# KiCad board poly_kb.kicad_pcb (continued)
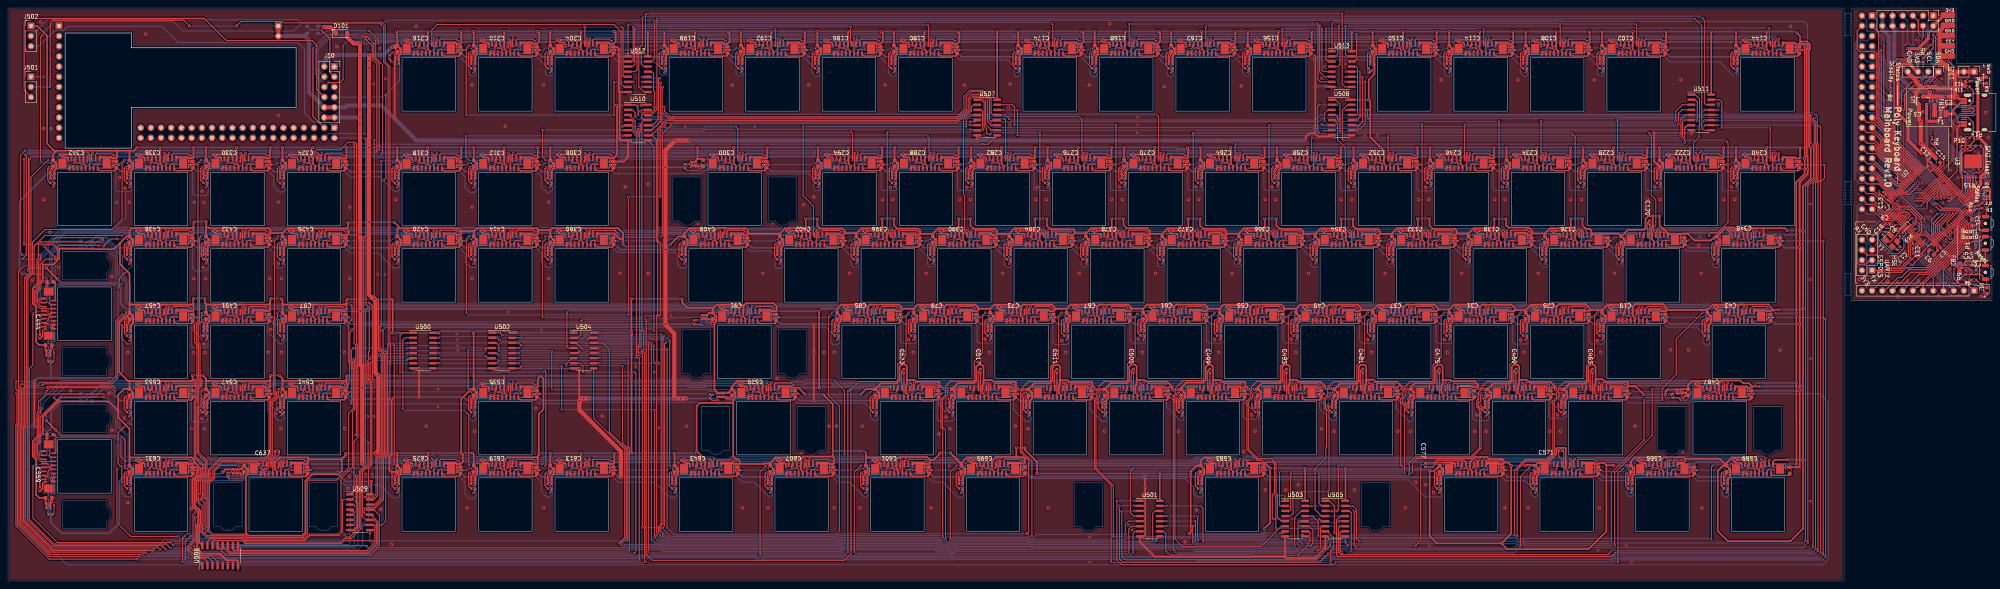
[diagram p0: board, top side]
## Routing (per net, layer and track width the routed paths; a pad name or vN(x,y) marks a point on that pad's centre or on a via; arc(x,y) is an arc through that point) (continued)
C83.2 225.87,64.32 226.34,64.8 226.34,66.05 C80.1 225.51,67.88 ; C76.2 244.92,62.32 C77.2 244.92,64.32 245.39,64.8 245.39,66.05 C74.1 244.56,67.88 ; C70.2 263.97,62.32 C71.2 263.97,64.32 264.44,64.8 264.44,66.05 C68.1 263.61,67.88 ; C64.2 283.02,62.32 C65.2 283.02,64.32 283.49,64.8 283.49,66.05 C62.1 282.66,67.88 ; C58.2 302.07,62.32 C59.2 302.07,64.32 302.54,64.8 302.54,66.05 C56.1 301.71,67.88 ; 225.51,67.88 226.53,68.9 232.56,68.9 233.11,68.35 ; 225.51,67.88 222.62,67.88 222.49,67.75 ; 244.56,67.88 245.58,68.9 251.61,68.9 252.16,68.35 ; 244.56,67.88 241.59,67.88 241.54,67.83 ; 263.61,67.88 264.63,68.9 270.66,68.9 271.21,68.35 ; 263.61,67.88 260.62,67.88 260.59,67.9 ; 282.66,67.88 283.68,68.9 289.71,68.9 290.26,68.35 ; 282.66,67.88 279.67,67.88 279.64,67.85 ; 301.71,67.88 302.73,68.9 308.76,68.9 309.31,68.35 ; 301.71,67.88 298.77,67.88 298.69,67.8 ; 214.06,68.35 J24.8 214.06,66 214.56,65.5 J24.9 ; 214.06,68.35 214.63,68.91 221.82,68.91 222.49,68.23 222.49,67.75 ; 233.11,68.35 J23.8 233.11,66.1 233.61,65.6 J23.9 ; 233.11,68.35 233.68,68.91 240.87,68.91 241.54,68.23 241.54,67.83 ; 252.16,68.35 J22.8 252.16,66.12 252.66,65.62 J22.9 ; 252.16,68.35 252.73,68.91 259.92,68.91 260.59,68.23 260.59,67.9 ; 271.21,68.35 J21.8 271.21,66.12 271.71,65.62 J21.9 ; 271.21,68.35 271.78,68.91 278.97,68.91 279.64,68.23 279.64,67.85 ; 290.26,68.35 J20.8 290.26,66.05 290.76,65.55 J20.9 ; 290.26,68.35 290.83,68.91 298.02,68.91 298.69,68.23 298.69,67.8 ; 309.31,68.35 J19.8 309.31,66.12 309.81,65.62 J19.9 ; 309.31,68.35 309.88,68.91 317.07,68.91 317.74,68.23 317.74,67.83 ; 242.93,50.14 242.93,49.05 242.64,48.76 ; 242.93,50.14 242.93,53.52 242.52,53.92 241.58,53.92 241.07,53.42 241.07,49.9 240.55,49.38 236.54,49.38 235.04,47.87 ; 242.93,50.14 244.98,50.14 245.46,49.66 250.86,49.66 250.98,49.54 250.98,48.56 ; 223.85,50.17 223.85,49.07 223.56,48.78 ; 223.85,50.17 225.68,50.17 226.16,49.69 231.78,49.69 231.9,49.57 231.9,48.58 ; 223.85,50.17 223.85,53.54 223.44,53.95 222.5,53.95 222.02,53.47 222.02,49.98 221.32,49.28 217.34,49.28 215.96,47.9 ; 395.33,50.11 395.33,49.02 395.04,48.73 ; 395.33,50.11 395.6,50.39 396.92,50.39 397.67,49.64 403.26,49.64 403.38,49.52 403.38,48.53 405.26,48.53 v1(407.29,46.51) ; 395.33,50.11 395.33,53.49 394.92,53.9 393.98,53.9 393.5,53.42 393.5,49.9 392.83,49.23 388.82,49.23 387.44,47.85 ; 376.3,50.11 376.3,49.02 376.01,48.73 ; 376.3,50.11 376.38,50.19 378.1,50.19 378.66,49.64 384.1,49.64 385.37,48.37 v1(385.37,47.8) 384.94,48.23 383.23,48.23 382.92,48.54 380.33,48.54 J30.16 ; 376.3,50.11 376.3,53.49 375.89,53.9 374.95,53.9 374.45,53.39 374.45,49.77 373.9,49.23 369.79,49.23 368.41,47.85 ; 357.25,50.17 357.25,49.07 356.96,48.78 ; 357.25,50.17 357.25,53.54 356.84,53.95 355.96,53.95 355.32,53.31 355.32,49.54 355.03,49.25 350.27,49.25 349.36,48.35 349.36,47.9 ; 357.25,50.17 359,50.17 359.34,49.83 365.15,49.83 366.02,48.95 v1(366.02,48.04) 365.71,48.35 364.58,48.35 364.25,48.68 361.42,48.68 J31.16 ; 338.2,50.14 338.2,49.05 337.91,48.76 ; 338.2,50.14 338.2,53.52 337.79,53.92 336.85,53.92 336.35,53.42 336.35,49.72 335.85,49.23 331.67,49.23 330.31,47.87 ; 338.2,50.14 338.27,50.21 339.98,50.21 340.53,49.66 345.89,49.66 347.11,48.45 v1(347.11,47.89) ; 319.15,50.14 319.15,49.05 318.86,48.76 ; 319.15,50.14 319.15,53.52 318.74,53.92 317.8,53.92 317.31,53.43 317.31,49.89 316.75,49.33 312.27,49.33 311.26,48.32 ; 319.15,50.14 319.2,50.19 320.88,50.19 321.41,49.66 326.83,49.66 327.91,48.58 v1(327.91,48.01) ; 281.05,50.17 281.05,49.07 280.76,48.78 ; 281.05,50.17 281.05,53.54 280.64,53.95 279.7,53.95 279.19,53.44 279.19,49.92 278.6,49.33 274.59,49.33 273.16,47.9 ; 281.05,50.17 282.96,50.17 283.4,49.72 288.63,49.72 289.97,48.38 ; 300.08,50.09 300.08,49 299.79,48.71 ; 300.08,50.09 300.08,53.47 299.67,53.87 298.73,53.87 298.25,53.39 298.25,50.16 297.59,49.5 293.42,49.5 292.19,48.27 C500.1 ; 300.08,50.09 300.12,50.13 301.91,50.13 302.36,49.68 306.87,49.68 306.87,49.69 307.93,49.69 308.13,49.49 308.13,48.51 ; 358.86,67.7 356.12,67.7 ; 358.86,67.7 360.06,68.9 365.87,68.9 366.46,68.31 ; 358.86,67.7 C32.1 359.67,66.07 359.67,64.65 359.22,64.2 C35.2 359.22,62.32 C34.2 ; 356.12,67.7 355.69,67.27 354.75,67.27 354.44,67.58 351.74,67.58 J16.16 ; 356.12,67.7 356.12,68.03 355.25,68.91 348.16,68.91 347.41,68.16 ; C592.2 428.27,24.22 C593.2 428.73,25.78 428.73,27.97 C590.1 ; J52.9 221.71,27.25 221.21,27.75 J52.8 221.21,30.73 ; 412.95,67.56 421.72,67.56 421.73,67.55 ; 412.95,67.56 412.95,68.17 412.09,69.04 405.18,69.04 404.56,68.42 404.56,68.35 ; 412.95,67.56 412.66,67.27 411.88,67.27 411.39,67.77 409.08,67.77 J13.16 ; J40.16 192.21,48.54 194.8,48.54 195.11,48.23 196.78,48.23 v1(198.42,46.58) ; 18.8,107.3 12.12,107.3 ; J502.1 7.26,138.44 9.73,135.97 v2(9.73,125.76) 9.73,109.04 11.47,107.3 12.12,107.3 ; v1(84.63,89.31) 84.63,88.3 84.29,87.96 ; 83.1,30.4 83.1,27.39 v1(82.34,26.63) 75.73,26.63 74.06,24.96 74.06,12.1 73.27,11.32 59.84,11.32 59.22,11.93 59.22,26.29 59.64,26.71 59.64,27.96 C638.1 57.85,27.8 54.12,27.8 v1(53.49,27.17) ; 83.1,30.4 84.09,31.39 v1(84.09,31.79) ; 83.1,30.4 83.03,30.33 74.78,30.33 74.76,30.31 ; 341.58,86.56 341.58,87.23 341.05,87.76 335.71,87.76 334.9,88.57 v1(334.9,90.27) ; 341.58,86.56 341.34,86.32 340.65,86.32 340.39,86.59 337.47,86.59 337.12,86.25 ; v1(251.79,47.73) 251.29,48.23 249.88,48.23 249.57,48.54 246.98,48.54 J38.16 ; J103.16 389.85,134.26 392.45,134.26 392.75,133.96 393.58,133.96 393.85,134.23 393.85,136.96 v1(393.8,137.01) ; v1(258.67,90.3) 258.67,88.6 259.56,87.71 265.25,87.71 265.56,87.4 265.56,86.72 ; v1(65.28,108.09) 65.24,108.05 65.24,105.66 64.97,105.38 64.14,105.38 63.83,105.69 61.24,105.69 J148.16 ; J35.16 304.13,48.54 306.72,48.54 307.03,48.23 307.85,48.23 308.13,48.51 ; 439.19,67.64 441.05,67.64 v1(441.07,67.67) ; 439.19,67.64 438.82,67.27 438.08,67.27 437.77,67.58 435.09,67.58 J17.16 ; 439.19,67.64 439.19,68.12 438.38,68.94 431.11,68.94 430.76,68.58 ; J118.16 351.75,134.26 354.35,134.26 354.65,133.96 355.48,133.96 355.75,134.23 355.75,136.98 v1(355.78,137.01) ; 265.56,86.72 265.16,86.32 264.12,86.32 263.83,86.61 261.24,86.61 J114.16 ; C494.1 312.05,47.01 312.05,45.63 311.56,45.14 C496.2 ; 421.73,67.55 423.16,67.55 ; 421.73,67.55 421.1,67.55 ; 423.16,67.55 C44.1 423.96,66.07 423.96,64.19 423.51,63.74 C47.2 423.48,63.4 C46.2 ; 423.16,67.55 424.5,68.9 430.44,68.9 430.76,68.58 ; C590.1 427,28.77 425.75,27.53 425.75,12.42 428.22,9.96 443.87,9.96 446.96,13.06 v1(446.96,30.23) 446.96,48.64 ; C590.1 426.21,30.48 417.65,30.48 ; C590.1 427.92,29.45 429.26,30.8 434.97,30.8 435.52,30.25 J50.8 435.52,28.11 436.02,27.61 J50.9 ; 237.42,29.45 238.76,30.8 244.15,30.8 245.02,29.93 ; 237.42,29.45 237.09,29.45 ; 389.15,87.96 389.15,90.3 v1(389.1,90.35) ; 389.15,87.96 384.03,87.96 382.68,86.6 ; 45.97,50.09 45.97,51.22 v1(45.99,51.24) ; 45.97,50.09 45.73,49.86 30.25,49.86 ; 45.97,50.09 46.42,50.09 46.88,49.63 46.88,49.02 46.55,48.69 45.94,48.69 45.9,48.73 42.38,48.73 J44.16 ; C466.2 387.76,45.14 388.25,45.63 388.25,47.01 C464.1 386.77,47.82 v1(386.76,47.82) ; 153.14,85.29 152.24,85.29 151.58,85.95 151.58,86 150.94,86.64 146.97,86.64 J110.16 ; 153.14,85.29 153.14,86.79 151.94,87.99 142.62,87.99 ; 153.14,85.29 v1(153.14,83.95) ; J140.16 251.74,105.69 254.33,105.69 254.64,105.38 255.47,105.38 255.74,105.66 255.74,108.06 v1(255.78,108.1) ; J13.9 405.06,65.65 404.56,66.15 J13.8 404.56,68.35 ; 183.11,68.59 182.8,68.9 176.5,68.9 175.76,68.16 175.51,68.16 ; J141.16 232.69,105.69 235.28,105.69 235.59,105.38 236.42,105.38 236.69,105.66 236.69,108.06 v1(236.73,108.1) ; 189.8,29.39 189.72,29.31 188.37,29.31 188.24,29.18 181.59,29.18 181.58,29.17 180.83,29.17 180.51,29.49 177.92,29.49 J59.16 ; 189.8,29.39 190.86,30.46 190.86,30.52 191.14,30.8 196.9,30.8 197.39,30.31 ; 27.42,42.43 25.08,44.77 12.58,44.77 8.66,40.84 v1(8.66,36.61) ; 437.16,87.96 442.49,87.96 v1(443.05,87.4) ; 437.16,87.96 437.16,86.32 J101.16 ; 437.16,87.96 433.5,87.96 433.14,87.6 433.14,87.4 ; 375.27,67.55 374.99,67.27 373.78,67.27 373.48,67.58 370.79,67.58 J15.16 ; 375.27,67.55 377.91,67.55 ; 375.27,67.55 375.27,68.01 374.37,68.91 367.06,68.91 366.46,68.31 ; 284.3,86.67 284.3,87.28 283.6,87.99 278.51,87.99 277.75,88.75 v1(277.75,90.32) ; 284.3,86.67 283.97,86.34 283.2,86.34 282.91,86.64 280.47,86.64 280.13,86.3 J113.16 ; J57.16 42.19,29.49 44.78,29.49 45.1,29.17 45.9,29.17 46.36,29.62 ; 241.54,67.83 241.54,67.55 241.26,67.27 240.4,67.27 240.03,67.64 237.5,67.64 J23.16 ; J149.16 42.19,105.69 44.78,105.69 45.09,105.38 45.92,105.38 46.19,105.66 46.19,108.05 v1(46.23,108.09) ; v1(324.64,137.02) 324.64,134.23 324.36,133.96 323.54,133.96 323.23,134.26 320.64,134.26 J119.16 ; v1(256.24,26.8) 256.24,29.69 253.26,32.66 v1(253.26,33.22) ; 180.91,45.59 180.59,45.26 180.59,44.23 ; 180.91,45.59 180.66,45.34 ; C52.2 321.12,62.32 C53.2 321.12,64.32 321.59,64.8 321.59,66.05 C50.1 320.76,67.88 ; v1(234.67,31.95) 237.09,29.53 237.09,29.45 ; 260.59,67.9 260.59,67.55 260.31,67.27 259.45,67.27 259.08,67.64 256.55,67.64 J22.16 ; 396.96,67.55 398.31,68.9 404.01,68.9 404.56,68.35 ; 396.96,67.55 C20.1 397.77,66.07 397.77,64.72 397.32,64.27 C23.2 397.29,63.4 C22.2 ; 396.96,67.55 393.84,67.55 ; 385.51,68.3 385.49,68.3 384.9,68.9 379.26,68.9 377.91,67.55 ; 385.51,68.3 386.25,69.04 392.88,69.04 393.84,68.08 393.84,67.55 ; 385.51,68.3 J14.8 385.51,66.12 386.01,65.62 J14.9 ; 246.3,86.59 246.3,87.22 245.75,87.78 240.49,87.78 239.62,88.65 v1(239.62,90.3) ; 246.3,86.59 246.04,86.32 245.19,86.32 244.78,86.74 242.32,86.74 J115.16 ; v1(322.99,28.07) 322.99,20.01 U503.16 ; 303.35,86.51 303.35,87.28 302.86,87.78 297.66,87.78 296.8,88.65 v1(296.8,90.3) ; 303.35,86.51 303.16,86.32 302.34,86.32 301.8,86.87 299.59,86.87 J112.16 ; C484.2 330.61,45.04 331.1,45.53 331.1,47.01 C482.1 329.5,47.82 v1(329.31,48.01) ; 229.55,30.22 229.55,29.46 229.26,29.17 228.45,29.17 228.14,29.49 225.55,29.49 J52.16 ; 229.55,30.22 228.85,30.92 222.16,30.92 221.98,30.73 221.21,30.73 ; 229.55,30.22 230.52,30.22 232,31.7 232,31.9 v1(232.03,31.93) ; v1(96.22,89.46) 97.26,88.42 97.26,87.99 ; v1(267.41,137.02) 267.81,136.62 267.81,134.56 267.21,133.96 266.39,133.96 266.08,134.26 263.49,134.26 J122.16 ; 237.09,29.45 234.85,31.7 ; 347.41,68.16 J16.8 347.41,66.23 347.91,65.73 J16.9 ; 347.41,68.16 346.67,68.9 341.16,68.9 339.81,67.55 ; J134.16 366.04,105.69 368.63,105.69 368.94,105.38 369.77,105.38 370.04,105.66 370.04,108.06 v1(370.02,108.09) ; 46.12,69.13 46.08,69.16 45.85,68.94 37.77,68.94 ; 46.12,69.13 46.12,70.34 v1(46.22,70.45) ; 227.15,86.67 226.82,86.34 226.05,86.34 225.76,86.64 223.17,86.64 J116.16 ; 227.15,86.67 227.15,87.28 226.6,87.83 221.44,87.83 220.6,88.67 v1(220.6,90.32) ; 171.69,105.27 171.69,108.06 v1(171.73,108.1) ; 171.69,105.27 172.83,105.27 C301.1 ; 123.47,87.99 131.65,87.99 131.91,87.72 131.91,87.47 ; 123.47,87.99 116.81,87.99 116.04,87.22 ; C514.2 254.41,44.87 254.9,45.36 254.9,47.01 C512.1 ; 251.13,30.91 252.68,30.91 253.24,30.35 253.24,29.61 252.91,29.28 252.3,29.28 252.09,29.49 249.36,29.49 J51.16 ; 251.13,30.91 251.13,30.91 246,30.91 245.02,29.93 ; 251.13,30.91 251.08,30.96 v1(251.08,33.27) ; U507.16 246.31,136.98 v1(246.35,137.02) ; J124.16 213.48,134.26 216.07,134.26 216.38,133.96 217.21,133.96 217.85,134.6 217.85,136.62 v1(217.45,137.02) ; 84.29,69.2 84.29,70.06 v1(84.47,70.24) ; 84.29,69.2 84.29,67.61 83.96,67.28 83.19,67.28 82.88,67.59 80.29,67.59 J26.16 ; v1(427.19,108.09) 427.19,108.08 427.19,105.66 426.92,105.38 426.09,105.38 425.78,105.69 423.19,105.69 J130.16 ; C560.1 9.33,20.76 ; C560.1 7.76,20.73 7,21.49 7,30.27 6.16,31.1 6.16,34.83 v1(6.77,35.44) ; C560.1 9.33,19.5 C562.2 9.55,18.16 C563.2 ; U505.16 333.04,20.05 v1(333.04,28.07) ; 339.81,67.55 C38.1 340.64,66.05 340.64,64.77 340.17,64.3 C41.2 340.17,62.32 C40.2 ; 339.81,67.55 336.79,67.55 ; v1(286.49,137.02) 286.89,136.62 286.89,134.58 286.26,133.96 285.44,133.96 285.13,134.26 282.54,134.26 J121.16 ; v1(150.97,31.84) 150.96,31.83 150.96,29.46 150.69,29.18 149.86,29.18 149.56,29.49 146.97,29.49 J54.16 ; v1(443.15,30.25) 443.13,30.23 439.98,30.23 439.52,29.77 J50.16 ; v1(412.88,137.01) 412.9,136.98 412.9,134.23 412.63,133.96 411.8,133.96 411.5,134.26 408.9,134.26 J102.16 ; 65.38,86.74 64.97,86.33 64.14,86.33 63.83,86.64 61.24,86.64 J156.16 ; 65.38,86.74 68.35,86.74 ; 65.38,86.74 65.38,87.58 64.97,87.99 50.13,87.99 49.94,88.18 49.3,88.18 ; 46.36,29.62 46.45,29.62 47.91,28.16 47.91,26.58 46.49,25.15 46.49,18.87 47.89,17.47 47.89,14.11 47.59,13.81 47.59,9.6 U506.16 ; 46.36,29.62 46.36,30.13 45.68,30.81 37.9,30.81 ; J132.16 385.09,105.69 387.68,105.69 387.99,105.38 388.82,105.38 389.09,105.66 389.09,108.06 v1(389.07,108.09) ; J24.16 218.45,67.64 220.98,67.64 221.35,67.27 222.21,67.27 222.49,67.55 222.49,67.75 ; v1(374.73,137.01) 374.8,136.93 374.8,134.23 374.53,133.96 373.7,133.96 373.4,134.26 370.8,134.26 J104.16 ; 379.55,86.67 379.55,87.28 378.73,88.11 373.63,88.11 373,88.75 v1(373,90.3) ; 379.55,86.67 379.2,86.32 378.45,86.32 377.95,86.82 375.74,86.82 J108.16 ; 379.55,86.67 382.61,86.67 382.68,86.6 ; 398.02,28.85 399.72,28.85 v1(399.8,28.78) ; 398.02,28.85 398.02,12.4 393.55,7.92 373.3,7.92 371.86,9.37 ; J147.16 80.29,105.64 82.88,105.64 83.19,105.33 84.02,105.33 84.29,105.61 84.29,108.05 v1(84.33,108.09) ; U504.16 147.25,61.91 v1(147.26,61.93) ; v1(150.92,137.02) 151.32,136.62 151.32,134.59 150.69,133.96 149.86,133.96 149.56,134.26 146.97,134.26 J127.16 ; v1(305.61,137.02) 305.61,134.26 305.31,133.96 304.49,133.96 304.18,134.26 301.59,134.26 J120.16 ; 65.24,69.2 65.24,67.62 64.9,67.28 64.14,67.28 63.83,67.59 61.24,67.59 J27.16 ; 65.24,69.2 65.24,70.19 v1(65.47,70.42) ; v1(167.84,70.27) 167.84,69.46 169.13,68.16 175.51,68.16 ; v1(155.24,61.93) 155.25,61.91 v1(155.25,51.13) 155.25,31.98 v1(155.37,31.86) ; v1(155.24,61.93) 155.21,61.95 v1(155.21,70.35) ; v1(155.24,61.93) 155.24,61.25 155.21,61.23 ; 289.97,48.38 289.82,48.23 287.98,48.23 287.67,48.54 285.08,48.54 J36.16 ; 289.97,48.38 v1(289.97,47.65) ; 213.61,30.75 213.61,32.04 v2(213.56,32.08) ; 213.61,30.75 213.65,30.8 221.14,30.8 221.21,30.73 ; 430.76,68.58 J17.8 430.79,67.22 430.79,66.01 431.26,65.54 J17.9 ; 182.11,29.25 182.11,29.91 181.58,30.44 181.17,30.44 180.59,31.03 180.59,44.23 ; 261.98,50.09 261.98,53.47 261.57,53.87 260.63,53.87 260.12,53.36 260.12,49.96 259.44,49.28 255.54,49.28 C512.1 ; 308.13,48.51 308.27,48.51 v1(308.95,47.83) ; 131.91,87.47 131.98,87.53 135.03,87.53 ; 377.91,67.55 C26.1 378.72,66.07 378.72,64.72 378.27,64.27 C29.2 378.27,62.32 C28.2 ; 142.62,87.99 135.48,87.99 135.03,87.53 ; 417.1,86.63 413.66,86.63 J105.16 413.32,86.55 412.86,87.02 412.86,87.26 412.6,87.51 412.6,87.52 412.27,87.85 412.02,87.85 411.25,88.62 v1(411.25,91.01) ; 417.1,86.63 417.64,86.63 ; 74.76,30.31 74.76,29.52 74.42,29.18 73.66,29.18 73.36,29.49 70.77,29.49 J58.16 ; 208.36,86.74 207.95,86.33 207.17,86.33 206.86,86.64 204.12,86.64 J151.16 ; J42.16 80.29,48.54 82.88,48.54 83.2,48.22 84.26,48.22 84.57,48.53 84.57,49.14 84.29,49.42 84.29,50.15 ; v1(126.84,61.95) 126.81,61.91 U502.16 ; 97.26,87.99 112.1,87.99 112.86,87.22 ; 84.29,50.15 84.29,51.14 v1(84.3,51.14) ; 49.3,88.18 v1(49.3,89.64) ; J32.16 342.22,48.53 344.9,48.53 345.2,48.23 345.95,48.23 346.23,48.51 ; C502.2 292.51,45.19 293,45.68 293,47.01 C500.1 ; 205.38,31.03 205.73,30.67 205.73,29.46 205.46,29.18 204.63,29.18 204.33,29.49 201.73,29.49 J53.16 ; 205.38,31.03 198.06,31.03 197.39,30.36 197.39,30.31 ; 205.38,31.03 205.38,32.1 v2(205.38,32.11) 205.38,44.07 v1(202.95,46.51) ; C520.2 235.36,45.22 235.85,45.71 235.85,47.01 C518.1 235.61,47.82 v1(235.81,47.62) ; v1(291.31,47.7) 291.44,47.82 C500.1 ; J125.16 194.43,134.26 197.02,134.26 197.33,133.96 198.16,133.96 198.42,134.23 v1(198.42,137.02) ; 366.46,68.31 J15.8 366.46,66.23 366.96,65.73 J15.9 ; v1(179.27,137.02) 179.67,136.62 179.67,134.52 179.11,133.96 178.28,133.96 177.97,134.26 175.38,134.26 J126.16 ; v1(408.17,108.09) 408.14,108.06 408.14,105.66 407.87,105.38 407.04,105.38 406.73,105.69 404.14,105.69 J131.16 ; 417.65,30.48 417.29,30.84 412.3,30.84 411.71,30.25 ; J138.16 289.84,105.69 292.43,105.69 292.74,105.38 293.57,105.38 293.84,105.66 293.84,107.99 v1(293.74,108.09) ; U508.16 334.55,119.99 v1(333.25,119.99) ; 446.96,48.64 446.89,48.56 v1(446.89,48.51) ; v1(236.5,137.02) 236.9,136.62 236.9,134.6 236.26,133.96 235.43,133.96 235.12,134.26 232.53,134.26 J123.16 ; v1(367.41,47.85) 367.44,47.82 C470.1 369.2,47.01 369.2,45.68 368.71,45.19 C472.2 ; 68.35,86.74 69.57,87.96 84.29,87.96 ; v1(107.23,61.86) 105.87,61.86 U500.16 ; 84.29,87.96 84.86,87.39 84.86,86.64 84.54,86.32 83.2,86.32 82.88,86.64 80.29,86.64 J155.16 ; 116.04,87.22 112.86,87.22 ; U509.16 90.46,21.95 v1(90.46,24.8) ; 320.76,67.88 317.8,67.88 317.74,67.83 ; 320.76,67.88 321.78,68.9 327.81,68.9 328.36,68.35 ; J128.16 127.92,134.26 130.51,134.26 130.81,133.96 131.64,133.96 132.3,134.62 132.3,136.62 v1(131.9,137.02) ; U513.16 334.58,136.91 v1(334.7,137.02) ; J146.16 108.87,105.64 111.46,105.64 111.76,105.33 112.59,105.33 112.86,105.61 112.86,108.09 v1(112.85,108.1) ; 433.14,87.4 J101.8 433.17,86.27 433.17,85.09 433.64,84.62 J101.9 ; 360.73,86.69 360.38,86.33 359.6,86.33 359.29,86.64 356.52,86.64 J107.16 ; 360.73,86.69 360.73,87.35 360.3,87.78 354.84,87.78 353.95,88.67 v1(353.95,90.32) ; v1(312.76,108.09) 312.89,107.96 312.89,105.66 312.62,105.38 311.79,105.38 311.48,105.69 308.89,105.69 J137.16 ; v1(189.08,108.1) 189.06,108.09 189.06,105.66 188.79,105.38 187.96,105.38 187.66,105.69 185.07,105.69 J143.16 ; C512.1 253.18,47.82 v1(253.11,47.75) ; 336.79,67.55 336.79,68.23 336.12,68.91 330.95,68.91 330.95,68.91 328.93,68.91 328.36,68.35 ; 336.79,67.55 336.51,67.27 335.65,67.27 335.28,67.64 332.75,67.64 J18.16 ; 372.42,29.46 372.14,29.17 371.33,29.17 371.01,29.49 368.42,29.49 J48.16 ; 113.75,46.28 113.75,46.33 ; 113.75,46.28 112.85,45.38 v1(112.85,31.9) 113.25,31.5 113.25,29.84 112.59,29.18 111.76,29.18 111.46,29.49 108.87,29.49 J56.16 ; v1(8.65,74.7) 8.65,78.93 11.27,78.93 12.72,80.38 12.72,82.71 12.87,82.85 20.95,82.85 21.08,82.73 26.33,82.73 27.86,84.26 ; J19.16 313.7,67.64 316.23,67.64 316.6,67.27 317.46,67.27 317.74,67.55 317.74,67.83 ; 104.53,135.46 104.53,135.88 ; 104.53,135.46 104.53,137.01 v1(104.54,137.02) ; 131.91,31.1 131.91,29.37 131.72,29.17 130.82,29.17 130.51,29.49 127.92,29.49 J55.16 ; J154.16 108.87,86.64 111.46,86.64 111.77,86.33 112.53,86.33 112.86,86.66 112.86,87.22 ; 393.84,67.55 393.74,67.46 392.63,67.46 392.51,67.58 389.84,67.58 J14.16 ; J139.16 270.79,105.69 273.38,105.69 273.69,105.38 274.52,105.38 274.79,105.66 274.79,108.09 v1(274.8,108.1) ; v1(310.41,47.83) 310.77,47.83 311.26,48.32 ; v1(157.76,118.67) 159.24,118.67 U510.16 ; J145.16 127.92,105.64 130.51,105.64 130.81,105.33 131.64,105.33 131.91,105.61 131.91,108.09 v1(131.9,108.1) ; v1(331.94,108.09) 331.94,105.66 331.67,105.38 330.84,105.38 330.53,105.69 327.94,105.69 J136.16 ; v1(272.29,47.75) 272.36,47.82 C506.1 273.95,47.01 273.95,45.73 273.46,45.24 C508.2 ; J45.16 8.3,32.33 v1(8.05,32.07) ; 328.36,68.35 J18.8 328.36,66.1 328.86,65.6 J18.9 ; v1(217.6,108.1) 217.64,108.06 217.64,105.66 217.37,105.38 216.54,105.38 216.23,105.69 213.64,105.69 J142.16 ; 311.26,48.32 311.26,47.87 ; v1(312.86,13.07) 314.25,14.47 v1(314.25,28.12) 313.19,29.17 312.47,29.17 312.17,29.48 308.88,29.48 J49.16 ; U511.16 424.12,136.94 v1(424.15,136.98) ; v1(350.89,108.09) 350.99,107.99 350.99,105.66 350.72,105.38 349.89,105.38 349.58,105.69 346.99,105.69 J135.16 ; U501.16 286.8,26.72 v1(286.82,26.74) ; v1(112.88,137.02) 112.88,134.24 112.59,133.96 111.76,133.96 111.46,134.26 108.87,134.26 J129.16 ; U512.16 159.32,136.99 ; v1(95.8,70.22) v1(95.8,61.84)
  Top w0.5: 477.76,117 C3.1
  Top w0.75: v1(473.07,132.72) 475.61,132.72 478.21,135.31 v1(478.21,136.63) ; 477.75,116.97 477.75,114.7 v1(477.82,114.63) 480.52,114.63 481.23,115.34 481.23,117.33 482.93,119.02 v2(484.68,119.02) ; D3.2 491.81,125.63 490.52,124.34 v2(490.52,118.31) 490.52,110.57 R14.1 490.9,110.49 492.62,108.77 ; U1.2 477.76,117 ; J3.2 482.09,141.1 J1.1 ; v2(486,78.08) FB2.2 ; 475.74,126.62 473.46,128.91 471.79,128.91 470.61,127.72 470.61,116.61 473.15,114.07 473.15,109.93 v1(476.5,106.58) ; 492.62,108.77 492.62,108.48 ; 492.62,108.77 492.62,102.19 491.24,100.82 491.24,99.32 R15.1 491.24,98.99 490.61,98.37 490.61,95.71 488.44,93.55 488.44,92.2 v2(488.95,91.69)
  Top w1: v1(91.45,31.79) 92.2,32.54 v1(92.2,51.13) 92.2,51.26 91.49,51.97 91.49,69.8 89.89,71.4 v1(89.89,89.41) v1(89.89,108.1) v1(89.89,131.17) ; C217.1 96.63,133.25 v1(95.71,133.25)
  Bottom w0.292: v2(465.94,97.08) 465.94,95.23 464.61,93.91 461.07,93.91 460.45,93.28 460.45,78.67 J5.2 ; v2(474.06,90.47) 474.58,90.47 v2(475.79,89.26) 477.5,87.55 v2(477.5,87.47) 478.87,86.1 478.87,82.47 v2(478.03,81.64) ; 488.94,87 489.87,86.07
  Bottom w0.4: v1(8.04,70.15) 8.04,72.25 v1(6.76,73.53) 7.94,74.7 v1(8.65,74.7) ; v1(351,90.35) 353.92,90.35 v1(353.95,90.32) ; v1(312.88,90.35) 315.8,90.35 v1(315.82,90.32) ; v1(293.85,90.32) 296.77,90.32 v1(296.8,90.3) ; v1(274.8,90.35) 277.72,90.35 v1(277.75,90.32) ; v1(255.73,90.32) 258.65,90.32 v1(258.67,90.3) ; v1(236.68,90.32) 239.6,90.32 v1(239.62,90.3) ; v1(198.6,90.35) 201.52,90.35 v1(201.55,90.32) ; v1(217.65,90.35) 220.57,90.35 v1(220.6,90.32) ; v1(331.95,90.3) 334.87,90.3 v1(334.9,90.27) ; v1(370.05,90.32) 372.97,90.32 v1(373,90.3) ; 445.65,108.09 445.9,108.09 ; 445.65,108.09 v1(437.93,108.09) v1(430.31,108.09) v1(427.19,108.09) v1(418.83,108.09) v1(411.17,108.09) v1(408.17,108.09) v1(399.78,108.09) v1(392.21,108.09) v1(389.07,108.09) v1(380.69,108.09) v1(373.06,108.09) v1(370.02,108.09) v1(361.76,108.09) v1(354.09,108.09) v1(350.89,108.09) v1(335.09,108.09) v1(331.94,108.09) v1(323.58,108.09) v1(315.96,108.09) v1(312.76,108.09) v1(304.38,108.09) v1(296.94,108.09) v1(293.74,108.09) 293.4,107.75 291.3,107.75 290.95,108.1 v1(285.52,108.1) v1(277.88,108.1) v1(274.8,108.1) v1(266.45,108.1) v1(258.85,108.1) v1(255.78,108.1) v1(247.42,108.1) v1(239.83,108.1) v1(236.73,108.1) v1(228.32,108.1) v1(220.75,108.1) v1(217.6,108.1) v1(209.32,108.1) v1(201.73,108.1) v1(189.08,108.1) v1(180.7,108.1) v1(171.73,108.1) v1(151.64,108.1) v1(142.57,108.1) v1(135.03,108.1) v1(131.9,108.1) v1(123.52,108.1) v1(115.95,108.1) v1(112.85,108.1) v1(104.5,108.1) v1(96.93,108.1) 92.94,108.1 92.61,108.43 92,108.43 91.65,108.09 v1(84.33,108.09) v1(75.95,108.09) v1(68.33,108.09) v1(65.28,108.09) v1(56.9,108.09) v1(49.28,108.09) v1(46.23,108.09) v1(37.85,108.09) v1(32.13,108.09) ; 445.65,108.09 445.66,108.08 v1(446.25,108.08) v1(448.92,108.08) ; v1(49.3,89.64) 46.46,89.64 v1(46.38,89.56) ; v1(389.1,90.35) 392.02,90.35 v1(392.05,90.32) ; v1(327.91,48.01) v1(329.31,48.01) ; v1(95.8,61.84) 107.21,61.84 v1(107.23,61.86) 107.63,62.26 126.53,62.26 v1(126.84,61.95) 147.24,61.95 v1(147.26,61.93) v1(155.24,61.93) ; v1(82.34,26.63) 84.17,24.8 v1(90.46,24.8) ; v1(256.24,26.8) 282.69,26.8 282.71,26.82 286.74,26.82 v1(286.82,26.74) 286.88,26.67 v1(294.5,26.67) ; v1(441.07,67.67) 446.74,67.67 v1(446.96,67.89) ; v1(446.96,30.23) 446.94,30.25 v1(443.15,30.25) ; v1(235.81,47.62) 235.66,47.47 233.31,47.47 v1(232.77,48.01) ; v1(367.41,47.85) 366.21,47.85 v1(366.02,48.04) ; v1(310.41,47.83) 310.41,47.83 v1(308.95,47.83) ; v1(446.96,87.17) 446.74,87.4 v1(443.05,87.4) ; v1(333.25,119.99) v1(338.84,119.99) ; v1(155.25,51.13) 155.24,51.14 v1(132.61,51.14) v1(123.56,51.14) v1(115.94,51.14) v1(84.3,51.14) ; v1(294.08,11.81) 294.28,11.61 312.42,11.61 312.86,12.05 v1(312.86,13.07) ; v1(291.31,47.7) 291.26,47.65 v1(289.97,47.65) ; v1(348.42,47.85) 347.14,47.85 v1(347.11,47.89) ; v1(409.57,90.98) 409.6,91.01 v1(411.25,91.01) ; v1(95.8,70.22) 95.78,70.24 v1(91.07,70.24) v1(84.47,70.24) ; v1(232.03,31.93) 234.65,31.93 v1(234.67,31.95) ; v1(374.29,28.78) v1(377.82,28.78) ; v1(68.1,70.33) 68.01,70.42 v1(65.47,70.42) ; v2(9.73,125.76) 5.73,125.76 J501.1 ; v1(167.84,70.27) 167.76,70.35 v1(155.21,70.35) ; v1(45.99,51.24) 48.53,51.24 v1(48.56,51.22) ; v1(96.22,89.46) 89.94,89.46 v1(89.89,89.41) 84.73,89.41 v1(84.63,89.31) ; v1(446.89,48.51) 446.88,48.51 v1(436.37,48.51) ; v1(46.22,70.45) v1(49.02,70.45) ; v1(412.75,46.48) 412.72,46.51 v1(407.29,46.51) ; v1(314.25,28.12) 314.3,28.07 v1(322.99,28.07) 323.14,27.91 332.89,27.91 v1(333.04,28.07) 333.2,27.91 347.42,27.91 347.55,28.04 349.24,28.04 349.6,27.68 353.8,27.68 v1(354,27.48) ; v1(47.73,26.72) 53.04,26.72 v1(53.49,27.17) ; v1(403.04,28.81) 403.01,28.78 v1(399.8,28.78) ; v1(251.79,47.73) 253.09,47.73 v1(253.11,47.75) ; v1(8.66,36.61) 7.94,36.61 v1(6.77,35.44) 8.05,34.16 v1(8.05,32.07) ; v1(157.76,118.67) 157.71,118.62 v1(151.56,118.62) ; v1(386.76,47.82) 385.38,47.82 v1(385.37,47.8) ; v1(272.29,47.75) 272.28,47.76 v1(270.85,47.76) ; v1(96.75,137.02) v1(104.54,137.02) v1(112.88,137.02) v1(115.9,137.02) v1(123.52,137.02) v1(131.9,137.02) v1(135,137.02) v1(142.59,137.02) v1(150.92,137.02) 150.93,137.01 159.37,137.01 v1(159.38,137.02) v1(163.47,137.02) v1(171.07,137.02) v1(179.27,137.02) v1(182.45,137.02) v1(190.14,137.02) v1(198.42,137.02) v1(201.52,137.02) v1(209.14,137.02) v1(217.45,137.02) v1(220.57,137.02) v1(228.22,137.02) v1(236.5,137.02) v1(246.35,137.02) v1(251.56,137.02) v1(259.13,137.02) v1(267.41,137.02) v1(270.58,137.02) v1(278.23,137.02) v1(286.49,137.02) v1(289.66,137.02) v1(297.23,137.02) v1(305.61,137.02) v1(308.69,137.02) v1(316.28,137.02) v1(324.64,137.02) v1(334.7,137.02) 334.71,137.01 v1(339.8,137.01) v1(347.45,137.01) v1(355.78,137.01) v1(358.88,137.01) v1(366.39,137.01) v1(374.73,137.01) v1(377.93,137.01) v1(385.47,137.01) v1(393.8,137.01) v1(396.95,137.01) v1(404.6,137.01) v1(412.88,137.01) 424.13,137.01 v1(424.15,136.98) 424.18,137.01 v1(430.28,137.01) v1(437.82,137.01) 445.11,137.01 v1(445.44,136.68) ; v1(132.18,31.84) v1(135.07,31.84) v1(142.61,31.84) v1(150.97,31.84) 155.35,31.84 v1(155.37,31.86) 155.4,31.84 v1(165.88,31.84) 171.04,31.84 v1(171.44,32.25) ; v1(212.32,46.51) v1(202.95,46.51) 198.5,46.51 v1(198.42,46.58) ; v1(153.14,83.95) 153.64,83.44 164.44,83.44 v1(164.95,83.95) ; v1(251.08,33.27) 251.13,33.22 v1(253.26,33.22) ; v2(213.56,32.08) 213.23,32.41 205.69,32.41 v2(205.38,32.11) ; v1(115.61,31.9) v1(112.85,31.9) v1(104.51,31.9) v1(96.92,31.9) 96.81,31.79 v1(84.09,31.79) ; v1(65.4,51.27) v1(67.56,51.27)
  Bottom w0.75: 477.82,106.62 477.82,105.17 v1(479.09,103.89) ; 477.82,106.62 477.77,106.58 v1(476.5,106.58) ; 477.82,106.62 v1(477.82,114.63) ; v1(478.21,136.63) 479.43,137.85 J3.2 ; v2(480.94,83.46) 486,78.4 v2(486,78.08) 489.85,81.92 v2(489.85,83.06) 489.87,83.09 489.87,86.07 488.95,87 488.95,87.01 ; 488.95,87.01 488.94,87 ; 488.95,87.01 v2(488.95,91.69) ; 475.74,126.62 475.53,126.83 475.53,130.26 v1(473.07,132.72) ; v2(484.68,119.02) 485.39,118.31 v2(490.52,118.31)
  Bottom w1: v1(89.89,127.86) v1(89.89,129.69) v1(89.89,131.17) ; v1(89.89,131.17) 93.62,131.17 v1(95.71,133.25) ; v1(89.89,131.17) 80.43,131.17 78.74,129.47 J10.2
